# Altium PCB ATM1099C-0627-ssy-1.brd.PcbDoc (part 4 of 4) (continued)
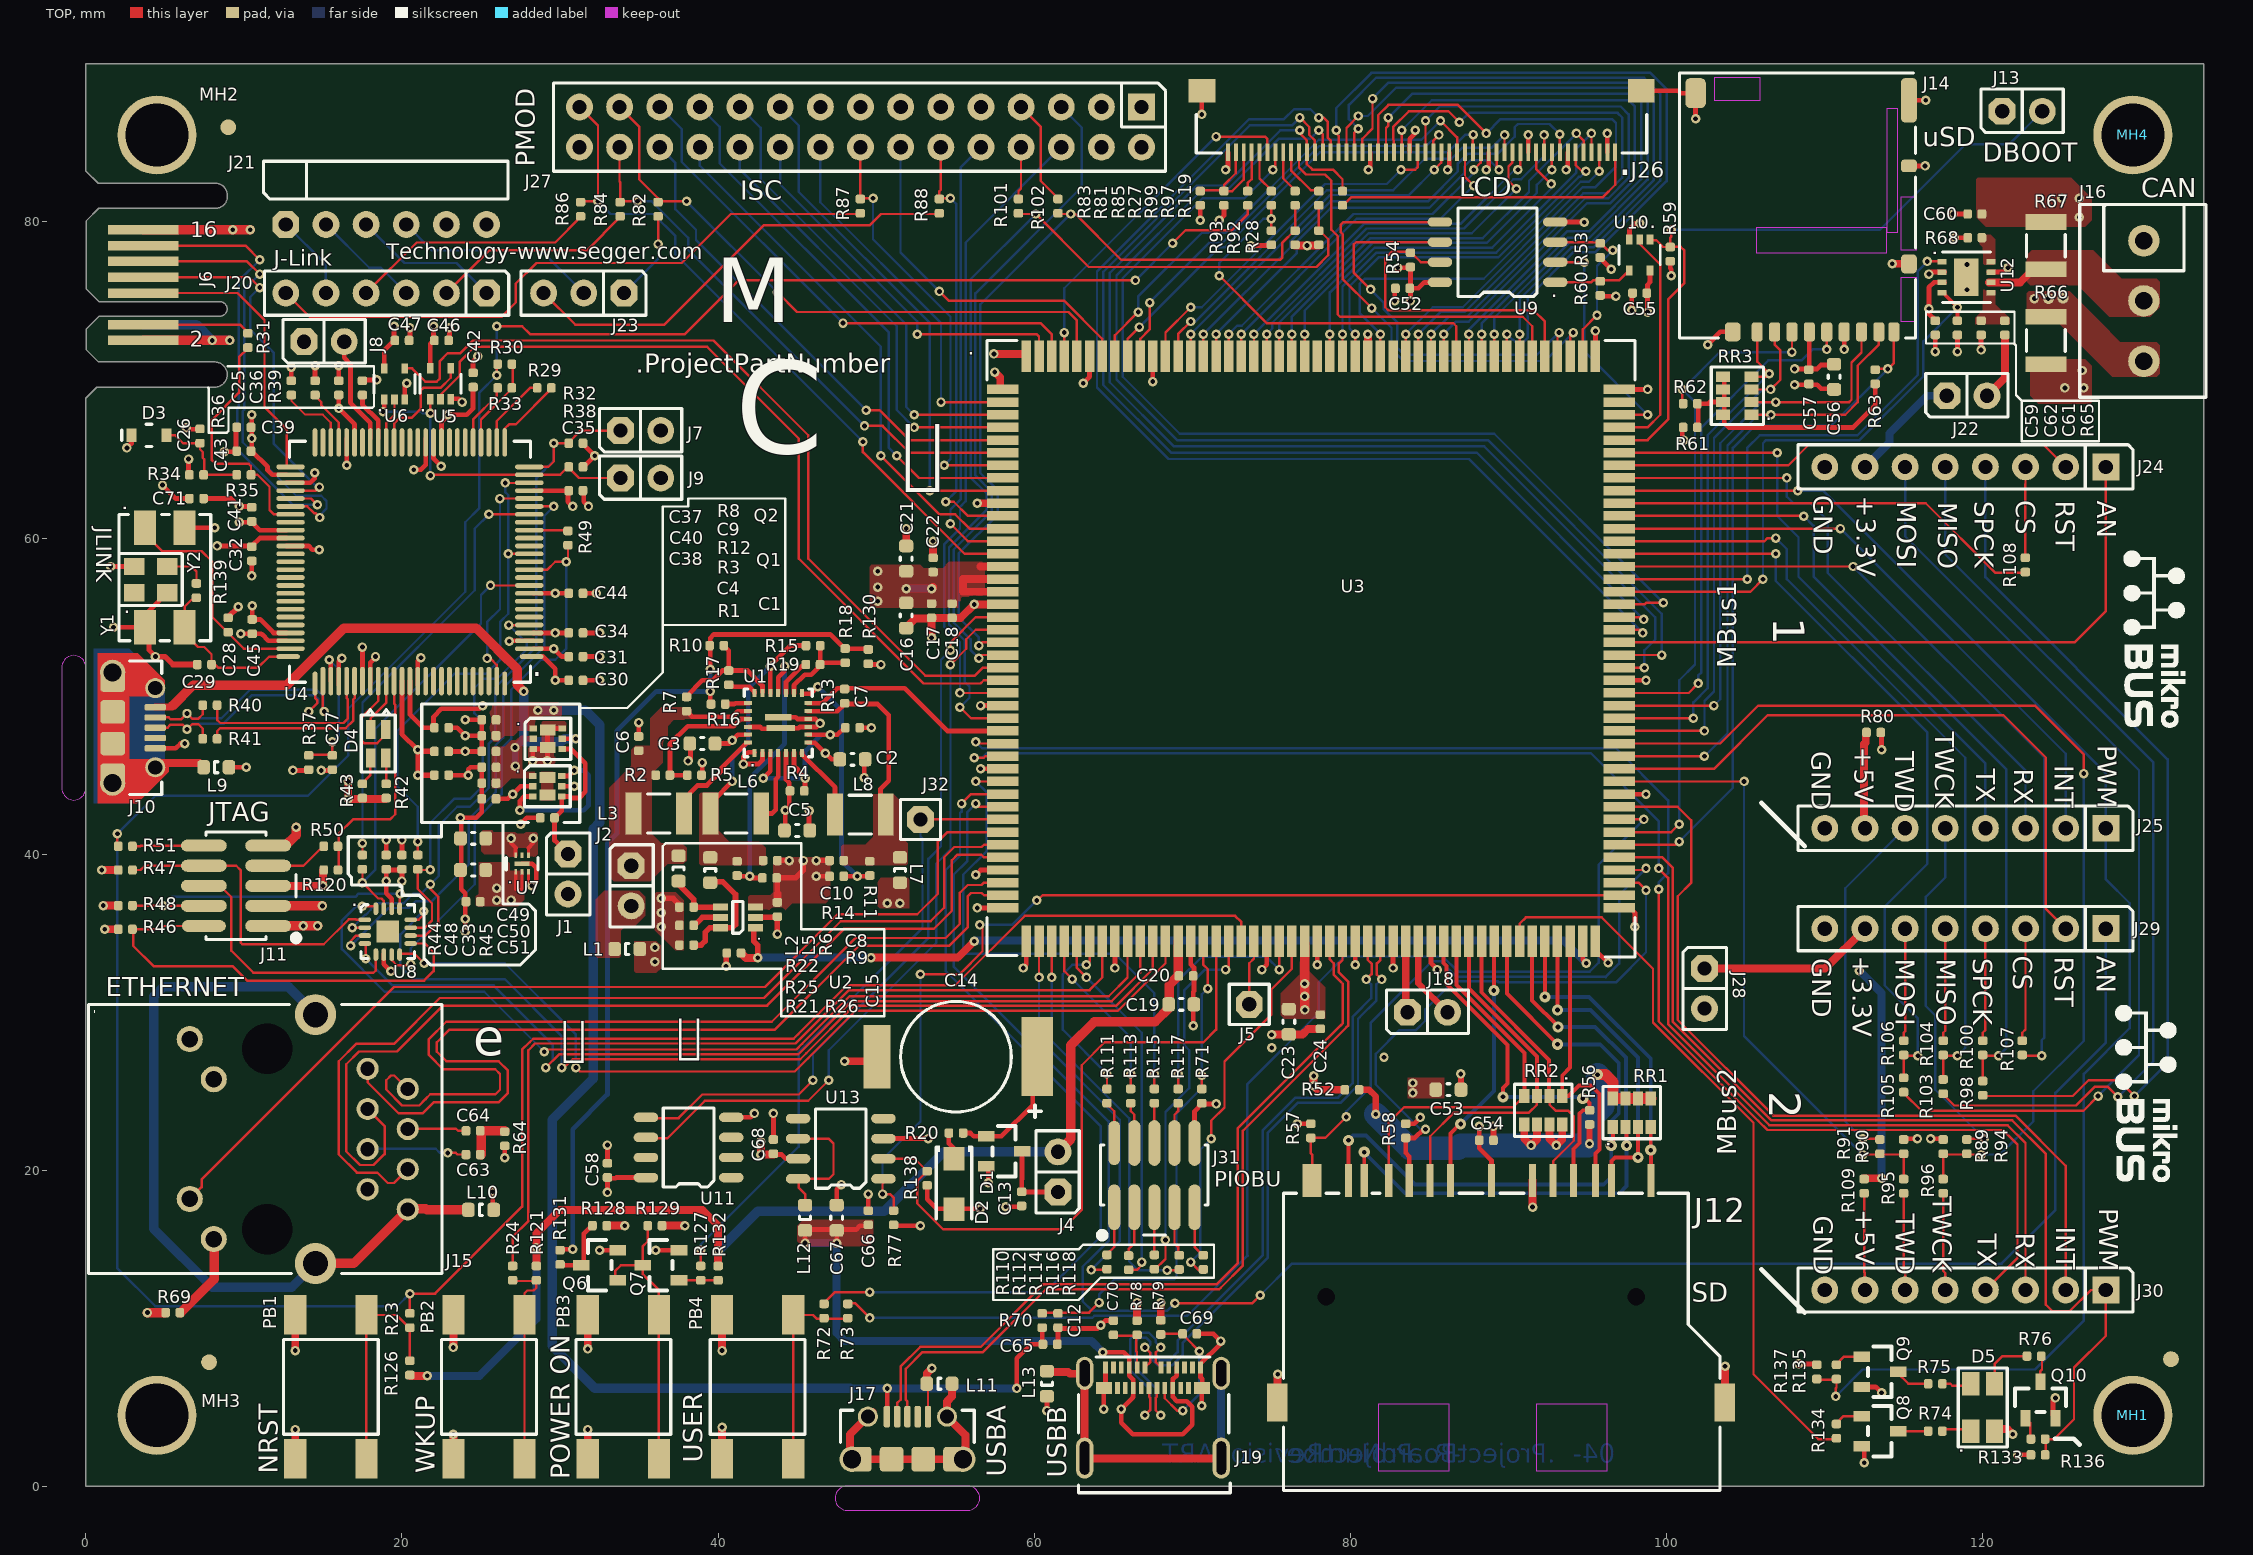
[diagram p0: TOP view]
## Other copper (continued)
  lines w0.5: 0,42.5 13.5,42.5 15.5,40.5 15.5,33 17.5,31 27.5,31 ; 11,90 11,75.5 12.5,74 29,74 33.5,69.5 33.5,61.75 36.25,59 ; 90.75,28.5 97.5,28.5 99.5,26.5 99.5,21.5 99,21 90.5,21 90.5,28.5 ; 27.5,31 27.5,38 27,38.5 25.5,38.5 25,39 25,42 33.5,50.5 36.25,53 36.25,59 ; 27.5,31 34,24.5 34,18 33.5,17.5 33.5,16 34,15.5 38,15.5 43.5,21 43.5,26.5 42,28 42,32 ; 36.25,59 59.5,59 68,67.5 68,81 68.5,81.5 70.5,81.5 71,81 71,74.5 72.5,73 100,73 101.5,74.5 101.5,77.5 106.5,82.5 120.5,82.5 121,82 121,75 119.5,73.5 106,73.5 100,67.5 100,52.5 103,49.5 113,49.5 116.5,46 116.5,32.5 115.5,31.5 97,31.5 91,37.5 78.5,37.5 ; 42,32 36,32 35.5,32.5 35.5,38 37.5,40 45.5,40 46.5,41 75,41 78.5,37.5 ; 42,32 42,35.5 42.5,36 48.5,36 50.5,38 67,38 73.5,31.5 73.5,26 75,24.5 78,24.5 78.5,25 78.5,37.5 ; 78.5,37.5 79,37.5 78.5,37.5 ; 90.5,28.5 91.25,28.5 90.5,28.5 ; 9,52.5 9.5,52 13,52 14,53 16.5,53 17,52.5 17,49 19.5,46.5 19.5,44 20,43.5 22.5,43.5 24.5,45.5 24.5,53.5 26,55 30.25,55 31,55.5 31,57.25 30.25,58 25.5,58 25,58.5 25,61.25 26,62.25 26,69.25 25.75,69.5 21.5,69.5 21.5,63.5 21,63 13.5,63 13,63.5 13,68 12.5,68.5 9.5,68.5 9,68 9,52.5
  text ".Layer_Name" at 304.5,-129.75 h1.5

## Silkscreen, mask and mechanical layers (free items; w line width, h text height)
ASSEMBLY_TOP:
  drawing of 18576 lines, arcs and shapes, not listed
  text "uSD" at 116.2,84.8 h1.2
  text "DBOOT" at 120,83.8 h1.2
  text "PMOD" at 28.4,83.5 h1.2 r90
  text "LCD" at 86.901,81.62 h1.2
  text "CAN" at 130.025,81.575 h1.2
  text "ISC" at 41.4,81.4 h1.2
  text "Technology-www.segger.com" at 19,77.625 h1
  text "J-Link" at 11.9,77.225 h1
  text "M" at 39.826,72.302 h7
  text ".ProjectPartNumber" at 34.797,70.459 h1.2
  text "C" at 41.076,63.431 h10
  text "GND" at 109.3,62.7 h1.2 r270
  text "+3.3V" at 112.02,62.671 h1.2 r270
  text "CS" at 122.12,62.392 h1.2 r270
  text "RST" at 124.61,62.366 h1.2 r270
  text "AN" at 127.26,62.366 h1.2 r270
  text "MOSI" at 114.58,62.316 h1.2 r270
  text "SPCK" at 119.49,62.316 h1.2 r270
  text "MISO" at 117.19,62.265 h1.2 r270
  text "" at 51.603,60.994 h10
  text "JLINK" at 0.65,60.675 h1 r270
  text "1" at 106.75,55 h2 r270
  text "MBus1" at 104.4,51.75 h1.2 r90
  text "TWCK" at 117,47.761 h1.2 r270
  text "PWM" at 127.287,46.898 h1.2 r270
  text "+5V" at 111.92,46.796 h1.2 r270
  text "GND" at 109.177,46.517 h1.2 r270
  text "TWD" at 114.46,46.517 h1.2 r270
  text "INT" at 124.544,45.628 h1.2 r270
  text "TX" at 119.6,45.4 h1.2 r270
  text "RX" at 122,45.4 h1.2 r270
  text "JTAG" at 7.74,42.072 h1.2
  text "CS" at 121.928,33.588 h1.2 r270
  text "+3.3V" at 111.768,33.563 h1.2 r270
  text "AN" at 127.211,33.563 h1.2 r270
  text "RST" at 124.56,33.512 h1.2 r270
  text "GND" at 109.228,33.41 h1.2 r270
  text "SPCK" at 119.41,33.41 h1.2 r270
  text "MOSI" at 114.485,33.385 h1.2 r270
  text "MISO" at 117.1,33.385 h1.2 r270
  text "ETHERNET" at 1.25,31.025 h1.2
  text "e" at 24.52,26.466 h4
  text "" at 37.369,25.809 h6
  text "" at 30.078,25.63 h6
  text "2" at 106.5,25 h2 r270
  text "MBus2" at 104.4,20.95 h1.2 r90
  text "PIOBU" at 71.375,18.975 h1
  text "TWCK" at 116.85,18.375 h1.2 r270
  text "PWM" at 127.389,17.586 h1.2 r270
  text "+5V" at 111.96,17.535 h1.2 r270
  text "TWD" at 114.511,17.256 h1.2 r270
  text "GND" at 109.304,17.129 h1.2 r270
  text "INT" at 124.645,16.418 h1.2 r270
  text "RX" at 122.1,16.037 h1.2 r270
  text "TX" at 119.7,16 h1.2 r270
  text "SD" at 101.6,11.7 h1.2
  text "USER" at 39,1.5 h1.2 r90
  text "WKUP" at 22.085,0.843 h1.2 r90
  text "NRST" at 12.152,0.817 h1.2 r90
  text "USBA" at 58.199,0.615 h1.2 r90
  text "USBB" at 62.025,0.548 h1.2 r90
  text "POWER ON" at 30.6,0.45 h1.2 r90
  text ".ProjectRevisionART" at 339.678,-129.572 h1.5
  text ".Layer_Name" at 304.5,-129.75 h1.5
Top Paste:
  drawing of 16 lines, arcs and shapes, not listed
  text ".ProjectRevisionART" at 339.678,-129.572 h1.5
  text ".Layer_Name" at 304.5,-129.75 h1.5
Bottom Paste:
  text ".ProjectRevisionART" at 339.678,-129.572 h1.5
  text ".Layer_Name" at 304.5,-129.75 h1.5
Top Solder:
  drawing of 18 lines, arcs and shapes, not listed
  text ".ProjectRevisionART" at 339.678,-129.572 h1.5
  text ".Layer_Name" at 304.5,-129.75 h1.5
Bottom Solder:
  text ".ProjectRevisionART" at 339.678,-129.572 h1.5
  text ".Layer_Name" at 304.5,-129.75 h1.5
NOTES (M1):
  lines w0.025: -0.635,90 0.635,90 ; 0,68.845 0,0 134,0 134,90 0,90 0,83.145 ; 0,89.365 0,90.635 ; 74.568,49.068 78.632,49.068 ; 74.568,49.068 74.568,53.132 ; 74.568,49.068 78.632,49.068 ; 74.568,49.068 74.568,53.132 ; 74.568,53.132 78.632,53.132 ; 74.568,53.132 78.632,53.132 ; 78.632,49.068 78.632,53.132 ; 78.632,49.068 78.632,53.132
  lines w0.2: -5.2,-4.2 -5.2,43.8 -2.4,46.6 ; 103,-5 55,-5 52,-2 ; -3.1,46.6 -2.4,46.6 ; -3.1,46.6 -3.1,46.6 ; -3.1,46.6 -3.1,46.6 ; -3.1,46.6 -2.4,45.9 -2.4,46.6 ; 52,-2 52,-2.6 52.6,-2 52,-2
  text "USB connector edge extends under the PCB surface" at -4.7,43.5 h1 r270
  text "USB connector edge extends under the PCB surface" at 55.3,-4.5 h1
  text ".Layer_Name" at 322.5,-129.75 h1.5
BOARD (M2):
  lines w0.025: 0.765,82.462 0,83.228 0,90 134,90 134,0 0,0 0,68.845 0.694,69.539 8.263,69.539 8.265,69.541 ; 0.836,74.038 0.053,73.255 0.053,71.895 0.805,71.143 8.109,71.143
  text ".ProjectRevisionART" at 339.678,-129.572 h1.5
  text ".Layer_Name" at 304.5,-129.75 h1.5
REF POINTS (M3):
  text ".Layer_Name" at 304.5,-129.75 h1.5
FAB (M4):
  drawing of 372 lines, arcs and shapes, not listed
  text "THIS PCB TO BE MANUFACTURED TO MEET ALL ACCEPTANCE LEVELS" at 240.989,65.662 h1.78
  text "OF A CLASS 2 PCB PER ANSI/IPC-A-600G." at 240.989,61.852 h1.78
  text "MATERIAL:" at 240.989,57.232 h1.78
  text "FR-4 or Equivalent" at 261.309,57.232 h1.78
  text "CONTROLLED IMPEDANCE" at 317.5,53 h1.78
  text "MULTILAYER" at 267.024,52.882 h1.78
  text "4" at 290.519,52.882 h1.78
  text "LAYERS" at 294.964,52.882 h1.78
  text "X" at 313.125,52.4 h2.6
  text "Cu WEIGHT EXTERNAL LAYERS" at 261.309,48.032 h1.78
  text "35um" at 313.379,48.032 h1.78
  text "FINISHED" at 322.904,48.032 h1.78
  text "Cu WEIGHT INTERNAL LAYERS" at 261.309,43.182 h1.78
  text "35um" at 313.379,43.182 h1.78
  text "FINISHED" at 322.904,43.182 h1.78
  text "FINISHED OVERALL THICKNESS" at 261.309,38.332 h1.78
  text "1.6" at 314.649,38.332 h1.78
  text "mm" at 322.904,38.332 h1.78
  text "10" at 337.509,38.332 h1.78
  text "%" at 345.764,38.332 h1.78
  text "COPPER THIEVING ALLOWED" at 261.5,33.5 h1.78
  text "YES" at 318.5,33.5 h1.78
  text "NO" at 335.5,33.5 h1.78
  text "X" at 330.091,33 h2.6
  text "FINISH:" at 241,29 h1.78
  text "LEAD-FREE HOT AIR LEVELING" at 267,28.7 h1.78
  text "IMMERSION GOLD" at 267.024,23.162 h1.78
  text "X" at 262.2,22.625 h2.6
  text "IMMERSION TIN" at 267.024,17.662 h1.78
  text "SMOBC WITH SELECTIVE GOLD PLATING ON LANDS" at 267.024,13.957 h1.78
  text "INDICATED. 1um GOLD OVER 5-10 um NICKEL" at 267.024,10.147 h1.78
  text "SOLDERMASK" at 261.309,3.312 h1.78
  text "DYNACHEM EPIC 200 LPI OR EQUIVALENT" at 282.899,3.312 h1.78
  text "SOLDERMASK COLOR" at 261.309,-3.038 h1.78
  text "GREEN HIGH GLOSS" at 293.059,-3.038 h1.78
  text "SILKSCREEN COLOR" at 261.309,-9.388 h1.78
  text "WHITE" at 293.059,-9.388 h1.78
  text "ALL HOLES TO BE LOCATED BY THE COORDINATES FROM THE NC DRILL DATA PROVIDED." at 240.989,-15.738 h1.78
  text "05-" at 273,-22 h1.78
  text ".ProjectBoardNumber" at 278,-22 h1.78
  text "PCB REV" at 309,-22 h1.78
  text "USE ARTWORK SET NO." at 240.989,-22.088 h1.78
  text ".ProjectRevisionART" at 322.15,-22.25 h1.78
  text "ALL UL LOGO, MANUFACTURER'S ID, AND DATE CODES SHALL BE PLACED" at 240.989,-28.438 h1.78
  text "ON THE BOTTOM SIDE UNLESS OTHERWISE INDICATED." at 240.989,-32.248 h1.78
  text "ANY ALTERNATIVES TO THE ABOVE SPECIFICATIONS MUST FIRST BE APPROVED." at 240.5,-37.5 h1.78
  text "Layer" at 228.362,-42.695 h1.52
  text "Name" at 238.773,-42.695 h1.52
  text "Material" at 262.389,-42.695 h1.52
  text "Thickness" at 284.227,-42.695 h1.52
  text "Constant" at 300.733,-42.695 h1.52
  text "Board Layer Stack" at 315.207,-42.695 h1.52
  text "1" at 228.362,-45.743 h1.52
  text "ASSEMBLY_TOP" at 238.773,-45.743 h1.52
  text "2" at 228.362,-48.791 h1.52
  text "Top Solder" at 238.773,-48.791 h1.52
  text "Solder Resist" at 262.389,-48.791 h1.52
  text "0.018mm" at 284.227,-48.791 h1.52
  text "3.5" at 300.733,-48.791 h1.52
  text "3" at 228.362,-51.839 h1.52
  text "TOP" at 238.773,-51.839 h1.52
  text "Copper" at 262.389,-51.839 h1.52
  text "0.035mm" at 284.227,-51.839 h1.52
  text "4" at 228.362,-54.887 h1.52
  text "Dielectric 1" at 238.773,-54.887 h1.52
  text "FR-4" at 262.389,-54.887 h1.52
  text "0.111mm" at 284.227,-54.887 h1.52
  text "4.7" at 300.733,-54.887 h1.52
  text "5" at 228.362,-57.935 h1.52
  text "GND" at 238.773,-57.935 h1.52
  text "Copper" at 262.389,-57.935 h1.52
  text "0.035mm" at 284.227,-57.935 h1.52
  text "6" at 228.362,-60.983 h1.52
  text "Dielectric2" at 238.773,-60.983 h1.52
  text "FR-4" at 262.389,-60.983 h1.52
  text "1.200mm" at 284.227,-60.983 h1.52
  text "4.5" at 300.733,-60.983 h1.52
  text "7" at 228.362,-64.031 h1.52
  text "POWER" at 238.773,-64.031 h1.52
  text "Copper" at 262.389,-64.031 h1.52
  text "0.035mm" at 284.227,-64.031 h1.52
  text "8" at 228.362,-67.079 h1.52
  text "Dielectric3" at 238.773,-67.079 h1.52
  text "FR-4" at 262.389,-67.079 h1.52
  text "0.111mm" at 284.227,-67.079 h1.52
  text "4.7" at 300.733,-67.079 h1.52
  text "9" at 228.362,-70.127 h1.52
  text "BOTTOM" at 238.773,-70.127 h1.52
  text "Copper" at 262.389,-70.127 h1.52
  text "0.035mm" at 284.227,-70.127 h1.52
  text "10" at 228.362,-73.175 h1.52
  text "Bottom Solder" at 238.773,-73.175 h1.52
  text "Solder Resist" at 262.389,-73.175 h1.52
  text "0.018mm" at 284.227,-73.175 h1.52
  text "3.5" at 300.733,-73.175 h1.52
  text "11" at 228.362,-76.223 h1.52
  text "Bottom Overlay" at 238.773,-76.223 h1.52
  text ".ProjectRevisionFAB" at 339.678,-129.572 h1.5
  text ".Layer_Name" at 304.5,-129.75 h1.5
Case (M5):
  text ".Layer_Name" at 304.5,-129.75 h1.5
Cover (M6):
  text ".Layer_Name" at 304.5,-129.75 h1.5
Terminal Block (M7):
  text ".Layer_Name" at 304.5,-129.75 h1.5
Route Tool Path:
  text ".Layer_Name" at 304.5,-129.75 h1.5
V-Cut (M9):
  text ".Layer_Name" at 304.5,-129.75 h1.5
Assy BOT (M10):
  text ".variantName" at 54.07,-113.75 h0.9
  text "ASSEMBLY VARIANT:" at 68.32,-113.75 h0.9
  text "DOCUMENT NUMBER:" at 22.05,-122 h1.14
  text "-D" at 8.05,-125 h1.78
  text ".ProjectBoardNumber" at 16.3,-125 h1.78
  text "02-" at 21.8,-125 h1.78
  text ".ProjectRevisionASSY" at 5.122,-129.572 h1.5
  text ".ProjectRevisionART" at 339.678,-129.572 h1.5
  text ".Layer_Name" at 40,-129.75 h1.5
  text ".Layer_Name" at 304.5,-129.75 h1.5
Assy TOP (M11):
  text "ASSEMBLY NOTES:" at 33.4,-80.1 h4
  text "1. ALL COMPONENTS SHALL BE RoHS COMPLIANT." at -0.7,-85.2 h3
  text "2. ALL UNUSED THROUGH HOLE COMPONENT LOCATIONS SHALL BE FREE OF SOLDER." at -0.7,-88.2 h3
  text "3. ALL COMPONENTS SHALL BE MOUNTED FLUSH TO THE BOARD, EXCEPT AS NOTED." at -0.7,-91.2 h3
  text "4. FINISHED BOARD SHALL BE FREE OF ALL RESIDUES." at -0.7,-94.2 h3
  text "5. ALL LEADS SHALL BE TRIMMED TO A MAXIMUM HEIGHT OF 2mm" at -0.7,-97.2 h3
  text "6. PLACE LABEL  ON THE LOCATION INDICATED." at -0.7,-100.2 h3
  text "7." at -0.7,-103.2 h3
  text "ASSEMBLY VARIANT:" at 276.5,-113.75 h0.9
  text ".variantName" at 290.75,-113.75 h0.9
  text "DOCUMENT NUMBER:" at 322.75,-122 h1.14
  text "02-" at 323,-125 h0.8
  text ".ProjectBoardNumber" at 325.7,-125 h0.8
  text "-D" at 338.25,-125 h0.8
  text ".ProjectRevisionASSY" at 339.678,-129.572 h1.5
  text ".Layer_Name" at 304.5,-129.75 h1.5
3D BOT (M12):
  text ".Layer_Name" at 304.5,-129.75 h1.5
3D TOP (M13):
  text ".Layer_Name" at 304.5,-129.75 h1.5
Guard BOT (M14):
  text ".ProjectRevisionART" at 339.678,-129.572 h1.5
  text ".Layer_Name" at 304.5,-129.75 h1.5
Guard TOP (M15):
  text ".ProjectRevisionART" at 339.678,-129.572 h1.5
  text ".Layer_Name" at 304.5,-129.75 h1.5
TITLE (M16):
  lines w0.1: 276,-112.5 357.82,-112.5 ; 333,-105 333,-108 357.82,-108 ; 346.54,-129.635 346.54,-128.365 ; 346.54,-129 356.7,-129 ; 346.7,-127.8 346.7,-126.8 ; 346.7,-127.3 356.7,-127.3 ; 349.08,-129.635 349.08,-128.365 ; 351.62,-129.635 351.62,-128.365 ; 351.7,-127.6 351.7,-127 ; 354.16,-129.635 354.16,-128.365 ; 356.7,-129.635 356.7,-128.365 ; 356.7,-127.8 356.7,-126.8 ; 357.82,-108 357.82,-108
  lines w0.127: -18.1,-75.175 -13.02,-75.175 ; -18.1,-14.85 -13.02,-14.85 ; -18.1,45.475 -13.02,45.475 ; 45.4,-135.5 45.4,-130.42 ; 45.4,100.72 45.4,105.8 ; 108.9,-135.5 108.9,-130.42 ; 108.9,100.72 108.9,105.8 ; 172.4,-135.5 172.4,-130.42 ; 172.4,100.72 172.4,105.8 ; 207.96,-130.42 243.52,-130.42 ; 235.9,-135.5 235.9,-130.42 ; 235.9,100.72 235.9,105.8 ; 242,-130.42 242,-105 357.82,-105 ; 276,-130.42 276,-105 ; 276,-126 357.82,-126 ; 276,-120 357.82,-120 ; 276,-114 357.82,-114 ; 299.4,-135.5 299.4,-130.42 ; 299.4,100.72 299.4,105.8 ; 304,-130.42 304,-114 ; 322,-126 322,-120 ; 335,-130.42 335,-126 ; 342.5,-130.42 342.5,-120 ; 357.82,-99.94 357.82,-130.42 ; 357.82,-75.175 362.9,-75.175 ; 357.82,-14.85 362.9,-14.85 ; 357.82,45.475 362.9,45.475 ; 357.82,-130.42 357.82,100.72 -13.02,100.72 -13.02,-130.42 357.82,-130.42 ; -18.1,-135.5 -18.1,105.8 362.9,105.8 362.9,-135.5 -18.1,-135.5
  lines w0.254: 236,100.5 236,96 ; 247,91.5 247,96 247,100.5 ; 259.5,91.5 259.5,96 259.5,100.5 ; 338,91.5 338,96 338,100.5 ; 357.5,91.5 236,91.5 236,96 ; 357.5,96 236,96
  text "1" at 13.176,102.498 h1.78
  text "2" at 76.566,102.498 h1.78
  text "3" at 139.795,102.498 h1.78
  text "4" at 203.464,102.498 h1.78
  text "5" at 266.939,102.498 h1.78
  text "6" at 330.566,102.498 h1.78
  text "REV" at 238.5,97.5 h1.52
  text "ECO" at 248.5,97.5 h1.52
  text "Comments" at 295,97 h1.52
  text "Date" at 343,97 h1.52
  text "A" at -16.195,73.466 h1.78
  text "A" at 359.725,73.466 h1.78
  text "B" at -16.195,13.014 h1.78
  text "B" at 359.725,13.014 h1.78
  text "C" at -16.195,-47.311 h1.78
  text "C" at 359.725,-47.311 h1.78
  text ".ProjectpartNumber" at 344.317,-106.96 h0.85
  text "PART NUMBER:" at 334,-107 h1
  text "D" at -16.195,-107.509 h1.78
  text "TITLE:" at 277,-107.5 h1.14
  text "D" at 359.725,-107.509 h1.78
  text ".ProjectTitle" at 277,-111.5 h2.5
  text "PCB DESIGNER:" at 277,-116 h1.14
  text "GERBER FILE:" at 305,-116 h1.14
  text ".ProjectDrawnBy" at 277,-119 h1.78
  text ".Plot_File_Name" at 305,-119 h1.5
  text "M" at 245,-121 h15.24
  text "ENGINEER:" at 277,-122 h1.14
  text "BOARD NUMBER:" at 305,-122 h1.14
  text "DATE:" at 343.7,-122 h1.14
  text "Microchip Technology Inc." at 243.77,-124.26 h1.78
  text ".ProjectEngineer" at 277,-125 h1.78
  text "04-" at 305,-125 h1.5
  text ".ProjectBoardNumber" at 309.549,-125.012 h1.5
  text ".PRINT_DATE" at 343.7,-125 h1.5
  text "2355 W. Chandler Blvd." at 245,-127 h1.78
  text "LAYER NAME:" at 305,-127.5 h1.14
  text "10mm" at 343,-127.6 h0.7
  text "PCB FILE NAME:" at 277,-127.75 h1.14
  text "REV:" at 335.75,-127.75 h1.14
  text "400mil" at 342.9,-129.3 h0.7
  text "Chandler, AZ  85224" at 246,-129.5 h1.78
  text ".PCB_FILE_NAME_NO_PATH" at 277,-129.75 h1.05
  text "1" at 13.176,-133.722 h1.78
  text "2" at 76.566,-133.722 h1.78
  text "3" at 139.795,-133.722 h1.78
  text "4" at 203.464,-133.722 h1.78
  text "5" at 266.939,-133.722 h1.78
  text "6" at 330.566,-133.722 h1.78
Drill Drawing:
  circle w0.254: c28.553,-23.047 r0.847
  circle w0.254: c28.553,-42.097 r0.508
  circle w0.254: c28.553,-42.097 r0.847
  lines w0.254: 27.707,-60.3 29.4,-60.3 28.553,-61.993 27.707,-60.3 ; 27.707,-58.183 29.4,-58.183 29.4,-56.49 27.707,-56.49 27.707,-58.183 ; 27.707,-53.527 28.553,-54.373 29.4,-53.527 28.553,-52.68 27.707,-53.527 ; 27.707,-50.563 29.4,-50.563 29.4,-48.87 27.707,-48.87 27.707,-50.563 ; 27.707,-46.33 28.13,-46.33 28.553,-46.753 28.977,-46.33 29.4,-46.33 28.977,-45.907 29.4,-45.483 28.977,-45.483 28.553,-45.06 28.13,-45.483 27.707,-45.483 28.13,-45.907 27.707,-46.33 ; 27.707,-38.71 28.13,-38.71 28.13,-39.133 28.977,-39.133 28.977,-38.71 29.4,-38.71 29.4,-37.863 28.977,-37.863 28.977,-37.44 28.13,-37.44 28.13,-37.863 27.707,-37.863 27.707,-38.71 ; 27.707,-35.323 28.553,-34.9 29.4,-35.323 28.977,-34.477 29.4,-33.63 28.553,-34.053 27.707,-33.63 28.13,-34.477 27.707,-35.323 ; 27.707,-29.82 29.4,-29.82 28.553,-31.513 27.707,-29.82 ; 27.707,-27.703 27.707,-27.28 28.13,-26.857 27.707,-26.433 27.707,-26.01 28.13,-26.01 28.553,-26.433 28.977,-26.01 29.4,-26.01 29.4,-26.433 28.977,-26.857 29.4,-27.28 29.4,-27.703 28.977,-27.703 28.553,-27.28 28.13,-27.703 27.707,-27.703 ; 27.707,-19.66 28.13,-19.66 28.553,-20.083 28.977,-19.66 29.4,-19.66 28.977,-19.237 29.4,-18.813 28.977,-18.813 28.553,-18.39 28.13,-18.813 27.707,-18.813 28.13,-19.237 27.707,-19.66 ; 28.045,-60.639 29.061,-60.639 28.553,-61.655 28.045,-60.639 ; 28.045,-57.845 29.061,-57.845 29.061,-56.829 28.045,-56.829 28.045,-57.845 ; 28.045,-34.985 28.553,-34.731 29.061,-34.985 28.807,-34.477 29.061,-33.969 28.553,-34.223 28.045,-33.969 28.299,-34.477 28.045,-34.985 ; 28.045,-19.491 28.299,-19.491 28.553,-19.745 28.807,-19.491 29.061,-19.491 28.807,-19.237 29.061,-18.983 28.807,-18.983 28.553,-18.729 28.299,-18.983 28.045,-18.983 28.299,-19.237 28.045,-19.491
  lines w0.381: 26.188,-63.136 124.714,-63.136 ; 26.188,-17.416 124.714,-17.416 ; 40.18,-66.946 40.18,-13.606 ; 57.905,-66.946 57.905,-13.606 ; 92.083,-66.946 92.083,-13.606 ; 104.932,-66.946 104.932,-13.606 ; 26.188,-66.946 124.714,-66.946 124.714,-13.606 26.188,-13.606 26.188,-66.946
  text "Symbol" at 28.474,-16.273 h1.83
  text "Hit Count" at 41.323,-16.273 h1.83
  text "Finished Hole Size" at 59.048,-16.273 h1.83
  text "Plated" at 93.226,-16.273 h1.83
  text "Hole Type" at 106.075,-16.273 h1.83
  text "4" at 41.323,-20.083 h1.52
  text "4.000mm (157.48mil)" at 59.048,-20.083 h1.52
  text "PTH" at 93.226,-20.083 h1.52
  text "Round" at 106.075,-20.083 h1.52
  text "2" at 41.323,-23.893 h1.52
  text "3.200mm (125.98mil)" at 59.048,-23.893 h1.52
  text "NPTH" at 93.226,-23.893 h1.52
  text "Round" at 106.075,-23.893 h1.52
  text "2" at 41.323,-27.703 h1.52
  text "1.600mm (62.99mil)" at 59.048,-27.703 h1.52
  text "PTH" at 93.226,-27.703 h1.52
  text "Round" at 106.075,-27.703 h1.52
  text "4" at 41.323,-31.513 h1.52
  text "1.143mm (45.00mil)" at 59.048,-31.513 h1.52
  text "PTH" at 93.226,-31.513 h1.52
  text "Round" at 106.075,-31.513 h1.52
  text "2" at 41.323,-35.323 h1.52
  text "1.100mm (43.31mil)" at 59.048,-35.323 h1.52
  text "NPTH" at 93.226,-35.323 h1.52
  text "Round" at 106.075,-35.323 h1.52
  text "3" at 41.323,-39.133 h1.52
  text "1.100mm (43.31mil)" at 59.048,-39.133 h1.52
  text "PTH" at 93.226,-39.133 h1.52
  text "Round" at 106.075,-39.133 h1.52
  text "4" at 41.323,-42.943 h1.52
  text "1.050mm (41.34mil)" at 59.048,-42.943 h1.52
  text "PTH" at 93.226,-42.943 h1.52
  text "Round" at 106.075,-42.943 h1.52
  text "107" at 41.323,-46.753 h1.52
  text "0.900mm (35.43mil)" at 59.048,-46.753 h1.52
  text "PTH" at 93.226,-46.753 h1.52
  text "Round" at 106.075,-46.753 h1.52
  text "4" at 41.323,-50.563 h1.52
  text "0.889mm (35.00mil)" at 59.048,-50.563 h1.52
  text "PTH" at 93.226,-50.563 h1.52
  text "Round" at 106.075,-50.563 h1.52
  text "2" at 41.323,-54.373 h1.52
  text "0.650mm (25.59mil)" at 59.048,-54.373 h1.52
  text "PTH" at 93.226,-54.373 h1.52
  text "Slot" at 106.075,-54.373 h1.52
  text "2" at 41.323,-58.183 h1.52
  text "0.600mm (23.62mil)" at 59.048,-58.183 h1.52
  text "PTH" at 93.226,-58.183 h1.52
  text "Slot" at 106.075,-58.183 h1.52
  text "575" at 41.323,-61.993 h1.52
  text "0.300mm (11.81mil)" at 59.048,-61.993 h1.52
  text "PTH" at 93.226,-61.993 h1.52
  text "Round" at 106.075,-61.993 h1.52
  text "711 Total" at 41.323,-65.803 h1.52
  text "Slot definitions :" at 28.474,-69.486 h1.52
  text "Routed Path Length" at 54.704,-69.486 h1.52
  text "= Calculated from tool start centre position to tool end centre position." at 82.712,-69.486 h1.52
  text "Hole Length" at 54.704,-72.025 h1.52
  text "= Routed Path Length + Tool Size = Slot length as defined in the PCB layout" at 72.301,-72.025 h1.52
  text "DOCUMENT NUMBER:" at 322.75,-122 h1.14
  text "04-" at 323,-125 h0.8
  text ".ProjectBoardNumber" at 325.7,-125 h0.8
  text "-D" at 338.25,-125 h0.8
  text ".ProjectRevisionFAB" at 339.678,-129.572 h1.5
TITLE MIRROR (M17):
  lines w0.1: -13,-112.5 68.82,-112.5 ; -11.9,-129.635 -11.9,-128.365 ; -11.9,-129 -1.74,-129 ; -11.9,-127.8 -11.9,-126.8 ; -11.9,-127.3 -1.9,-127.3 ; -9.36,-129.635 -9.36,-128.365 ; -6.9,-127.6 -6.9,-127 ; -6.82,-129.635 -6.82,-128.365 ; -4.28,-129.635 -4.28,-128.365 ; -1.9,-127.8 -1.9,-126.8 ; -1.74,-129.635 -1.74,-128.365 ; 11.82,-105 11.82,-108 -13,-108 ; -13,-108 -13,-108
  lines w0.127: -18.1,-75.175 -13.02,-75.175 ; -18.1,-14.85 -13.02,-14.85 ; -18.1,45.475 -13.02,45.475 ; -13.02,-126 68.8,-126 ; -13.02,-120 68.8,-120 ; -13,-114 68.82,-114 ; -13,-105 102.82,-105 102.82,-130.42 ; 2.3,-130.42 2.3,-120 ; 9.8,-130.42 9.8,-126 ; 22.8,-126 22.8,-120 ; 40.82,-130.42 40.82,-114 ; 45.4,-135.5 45.4,-130.42 ; 45.4,100.72 45.4,105.8 ; 68.82,-130.42 68.82,-105 ; 108.9,-135.5 108.9,-130.42 ; 108.9,100.72 108.9,105.8 ; 172.4,-135.5 172.4,-130.42 ; 172.4,100.72 172.4,105.8 ; 235.9,-135.5 235.9,-130.42 ; 235.9,100.72 235.9,105.8 ; 299.4,-135.5 299.4,-130.42 ; 299.4,100.72 299.4,105.8 ; 357.82,-75.175 362.9,-75.175 ; 357.82,-14.85 362.9,-14.85 ; 357.82,45.475 362.9,45.475 ; -18.1,-135.5 362.9,-135.5 362.9,105.8 -18.1,105.8 -18.1,-135.5 ; -13.02,-130.42 357.82,-130.42 357.82,100.72 -13.02,100.72 -13.02,-130.42
  text "6" at 14.234,102.498 h1.78
  text "5" at 77.861,102.498 h1.78
  text "4" at 141.336,102.498 h1.78
  text "3" at 205.005,102.498 h1.78
  text "2" at 268.234,102.498 h1.78
  text "1" at 331.624,102.498 h1.78
  text "A" at -14.925,73.466 h1.78
  text "A" at 360.995,73.466 h1.78
  text "B" at -14.925,13.014 h1.78
  text "B" at 360.995,13.014 h1.78
  text "C" at -14.925,-47.311 h1.78
  text "C" at 360.995,-47.311 h1.78
  text "PART NUMBER:" at 10.82,-107 h1
  text "TITLE:" at 67.82,-107 h1.14
  text ".ProjectpartNumber" at -1.18,-107.25 h1.5
  text "D" at -14.925,-107.509 h1.78
  text "D" at 360.995,-107.509 h1.78
  text ".ProjectTitle" at 67.82,-111.5 h2.5
  text "GERBER FILE:" at 39.82,-116 h1.14
  text "PCB DESIGNER:" at 67.82,-116 h1.14
  text ".Plot_File_Name" at 39.82,-119 h1.5
  text ".ProjectDrawnBy" at 67.82,-119 h1.78
  text "M" at 99.82,-121 h15.24
  text "DATE:" at 1.1,-122 h1.14
  text "BOARD NUMBER:" at 39.8,-122 h1.14
  text "ENGINEER:" at 67.8,-122 h1.14
  text "Microchip Technology Inc." at 101.05,-124.26 h1.78
  text ".PRINT_DATE" at 1.1,-125 h1.5
  text ".ProjectBoardNumber" at 34.8,-125 h1.78
  text "04-" at 39.8,-125 h1.78
  text ".ProjectEngineer" at 67.8,-125 h1.78
  text "2355 W. Chandler Blvd." at 99.82,-127 h1.78
  text "LAYER NAME:" at 39.8,-127.5 h1.14
  text "10mm" at 1.8,-127.6 h0.7
  text "REV:" at 9.05,-127.75 h1.14
  text "PCB FILE NAME:" at 67.8,-127.75 h1.14
  text "400mil" at 1.9,-129.3 h0.7
  text "Chandler, AZ  85224" at 98.82,-129.5 h1.78
  text ".PCB_FILE_NAME_NO_PATH" at 67.8,-129.75 h1.14
  text "6" at 14.234,-133.722 h1.78
  text "5" at 77.861,-133.722 h1.78
  text "4" at 141.336,-133.722 h1.78
  text "3" at 205.005,-133.722 h1.78
  text "2" at 268.234,-133.722 h1.78
  text "1" at 331.624,-133.722 h1.78
AUTOSILK_BOTTOM:
  text "REV:A01" at 78.632,49.068 h0.64 r90
  text "UPDATA:20070322" at 79.902,49.068 h0.64 r90
  text "TYPE:" at 81.172,49.068 h0.64 r90

## Dimensions
0,0 to 134,0 on BOARD (M2)
134,0 to 134,90 on BOARD (M2)

## Text inside footprints (layer, text, board x,y; h text height)
C1: Guard TOP (M15) "C" at 29.4,42.59 h0.6 r180
C2: Guard TOP (M15) "C" at 48.3,45.71 h0.6
C3: Guard TOP (M15) "C" at 39.2,47.29 h0.6 r180
C4: Guard TOP (M15) "C" at 25.7,44.79 h0.6 r180
C5: Guard TOP (M15) "C" at 44.8,41.21 h0.6
C6: Guard TOP (M15) "C" at 35.265,46.8 h0.6 r90
C7: Guard TOP (M15) "C" at 48.3,47.71 h0.6
C8: Guard TOP (M15) "C" at 43.1,39.31 h0.6
C9: Guard TOP (M15) "C" at 25.7,47.79 h0.6 r180
C10: Guard TOP (M15) "C" at 47.7,39.89 h0.6 r180
C12: Guard TOP (M15) "C" at 61.21,10.7 h0.6 r270
C13: Guard TOP (M15) "C" at 58.91,18.4 h0.6 r270
C15: Guard TOP (M15) "C" at 44.04,36.3 h0.6 r90
C16: Guard TOP (M15) "C" at 51.61,55.3 h0.6 r270
C17: Guard TOP (M15) "C" at 53.21,55.6 h0.6 r270
C18: Guard TOP (M15) "C" at 54.51,55.6 h0.6 r270
C19: Guard TOP (M15) "C" at 69.1,30.21 h0.6
C20: Guard TOP (M15) "C" at 69.4,32.01 h0.6
C21: Guard TOP (M15) "C" at 52.19,58.5 h0.6 r90
C22: Guard TOP (M15) "C" at 53.89,58.1 h0.6 r90
C23: Guard TOP (M15) "C" at 75.81,29.6 h0.6 r270
C24: Guard TOP (M15) "C" at 77.81,29.6 h0.6 r270
C25: Guard TOP (M15) "C" at 14.21,69.7 h0.6 r270
C26: Guard TOP (M15) "C" at 7.511,66.256 h0.6 r90
C27: Guard TOP (M15) "C" at 15.31,46 h0.6 r270
C28: Guard TOP (M15) "C" at 9.29,54.3 h0.6 r90
C29: Guard TOP (M15) "C" at 7.7,52.29 h0.6 r180
C30: Guard TOP (M15) "C" at 30.8,50.71 h0.6
C31: Guard TOP (M15) "C" at 30.8,52.21 h0.6
C32: Guard TOP (M15) "C" at 10.21,59.2 h0.6 r270
C33: Guard TOP (M15) "C" at 20.29,39.3 h0.6 r90
C34: Guard TOP (M15) "C" at 30.8,53.71 h0.6
C35: Guard TOP (M15) "C" at 30.8,62.71 h0.6
C36: Guard TOP (M15) "C" at 16.29,69.3 h0.6 r90
C37: Guard TOP (M15) "C" at 22.3,47.71 h0.6
C38: Guard TOP (M15) "C" at 22.3,44.71 h0.6
C39: Guard TOP (M15) "C" at 10.2,67.29 h0.6 r180
C40: Guard TOP (M15) "C" at 22.3,46.21 h0.6
C41: Guard TOP (M15) "C" at 10.79,61.3 h0.6 r90
C42: Guard TOP (M15) "C" at 24.79,69.8 h0.6 r90
C43: Guard TOP (M15) "C" at 10.2,65.79 h0.6 r180
C44: Guard TOP (M15) "C" at 30.8,56.21 h0.6
C45: Guard TOP (M15) "C" at 10.815,54.2 h0.6 r90
C46: Guard TOP (M15) "C" at 22.3,72.21 h0.6
C47: Guard TOP (M15) "C" at 19.8,72.21 h0.6
C48: Guard TOP (M15) "C" at 19.29,39.3 h0.6 r90
C49: Guard TOP (M15) "C" at 24.7,41.29 h0.6 r180
C50: Guard TOP (M15) "C" at 24.7,39.29 h0.6 r180
C51: Guard TOP (M15) "C" at 24.7,37.29 h0.6 r180
C52: Guard TOP (M15) "C" at 83.5,76.09 h0.6 r180
C53: Guard TOP (M15) "C" at 86,24.81 h0.6
C54: Guard TOP (M15) "C" at 88.4,21.61 h0.6
C55: Guard TOP (M15) "C" at 98.5,75.79 h0.6 r180
C56: Guard TOP (M15) "C" at 110.31,70.4 h0.6 r270
C57: Guard TOP (M15) "C" at 108.71,70.4 h0.6 r270
C58: Guard TOP (M15) "C" at 33.29,19.8 h0.6 r90
C59: Guard TOP (M15) "C" at 116.71,73.5 h0.6 r270
C60: Guard TOP (M15) "C" at 119.7,80.79 h0.6 r180
C61: Guard TOP (M15) "C" at 119.61,73.5 h0.6 r270
C62: Guard TOP (M15) "C" at 118.11,73.5 h0.6 r270
C63: Guard TOP (M15) "C" at 24.3,20.71 h0.6
C64: Guard TOP (M15) "C" at 24.3,22.21 h0.6
C65: Guard TOP (M15) "C" at 60.8,8.71 h0.6
C66: Guard TOP (M15) "C" at 49.79,16.8 h0.6 r90
C67: Guard TOP (M15) "C" at 47.79,16.8 h0.6 r90
C68: Guard TOP (M15) "C" at 43.79,21.3 h0.6 r90
C69: Guard TOP (M15) "C" at 69.632,9.371 h0.6
C70: Guard TOP (M15) "C" at 65.296,9.842 h0.6 r90
C71: Guard TOP (M15) "C" at 6.8,62.21 h0.6
J6: ASSEMBLY_TOP "16" at 6.61,79.03 h1; ASSEMBLY_TOP "2" at 6.589,72.1 h1; Assy TOP (M11) "2" at 1.638,72.501 h1 r270; Assy BOT (M10) "1" at 6.822,72.269 h1; Assy BOT (M10) "15" at 6.61,78.967 h1
J10: Assy TOP (M11) "PCB EDGE" at -0.307,45.155 h0.76 r90
J11: Assy TOP (M11) "1" at 12.7,34.6 h1 r90
J12: Assy TOP (M11) "1" at 96.375,18.75 h1
J14: Assy TOP (M11) "1" at 105.835,73.552 h1 r180
J15: Assy TOP (M11) "1" at 17.444,27.182 h1 r90
J16: Assy TOP (M11) "1" at 131.089,79.953 h1 r90
J17: Assy TOP (M11) "PCB EDGE" at 54.821,-0.282 h0.76 r180
J19: Assy TOP (M11) "A1" at 63.9,7.5 h1
J31: Assy TOP (M11) "1" at 64.2,16.5 h1
L1: Guard TOP (M15) "L" at 34.05,33.71 h0.6
L2: Guard TOP (M15) "L" at 37.208,39.3 h0.6 r270
L5: Guard TOP (M15) "L" at 39.21,39.2 h0.6 r270
L7: Guard TOP (M15) "L" at 51.21,39.2 h0.6 r270
L9: Guard TOP (M15) "L" at 8.05,45.21 h0.6
L10: Guard TOP (M15) "L" at 24.8,17.21 h0.6
L11: Guard TOP (M15) "L" at 53.8,6.21 h0.6
L12: Guard TOP (M15) "L" at 45.79,16.8 h0.6 r90
L13: Guard TOP (M15) "L" at 61.09,6.3 h0.6 r90
MH1: NOTES (M1) "1" at 129.246,4.5 h0.64
MH2: NOTES (M1) "1" at 4.246,85.5 h0.64
MH3: NOTES (M1) "1" at 4.246,4.5 h0.64
MH4: NOTES (M1) "1" at 129.246,85.5 h0.64
PAD1: Assy BOT (M10) "Pad" at 129.6,3.975 h1; Assy BOT (M10) "Rubber" at 130.7,6.275 h1
PAD2: Assy BOT (M10) "Rubber" at 126.2,81.225 h1; Assy BOT (M10) "Pad" at 125.1,78.925 h1
PAD3: Assy BOT (M10) "Pad" at 7.1,62.275 h1; Assy BOT (M10) "Rubber" at 8.2,64.575 h1
PAD4: Assy BOT (M10) "Pad" at 7.2,4.25 h1; Assy BOT (M10) "Rubber" at 8.3,6.55 h1
Q1: Assy TOP (M11) "1" at 28.35,45.05 h0.5 r90
Q2: Assy TOP (M11) "1" at 28.375,48.05 h0.5 r90
U1: Assy TOP (M11) "1" at 42.2,46.41 h0.5
U2: Assy TOP (M11) "1" at 42.35,35.3 h0.5 r90
U3: Assy TOP (M11) "1" at 57.3,69.5 h1 r270
U5: Assy TOP (M11) "1" at 21.54,68.788 h1.2
U6: Assy TOP (M11) "1" at 18.625,68.775 h1.2
U7: Assy TOP (M11) "1" at 26.7,38.2 h0.5
U8: Assy TOP (M11) "1" at 17.75,36 h0.7 r90
U9: Assy TOP (M11) "1" at 92.743,76.184 h0.5 r90
U10: Assy TOP (M11) "1" at 99.2,78.875 h1.2 r180
U11: Assy TOP (M11) "1" at 41.233,19.447 h1 r90
U12: Assy TOP (M11) "1" at 117.675,77.8 h0.6 r90
U13: Assy TOP (M11) "1" at 50.86,19.371 h1 r90
Y1: Assy TOP (M11) "1" at 3.2,60.7 h1 r90